# Altium PCB PCB.PcbDoc (part 1 of 4)
Units mil, origin at the board's own origin, x right, y up, seen from the top; angles counter-clockwise.
Board outline 6299.21 x 7637.8 mil, 2 copper layers (Top Layer, Bottom Layer); 456 components, 297 nets, 1240 pads, 557 vias.
Unrouted connection lines stored in the file: 247.
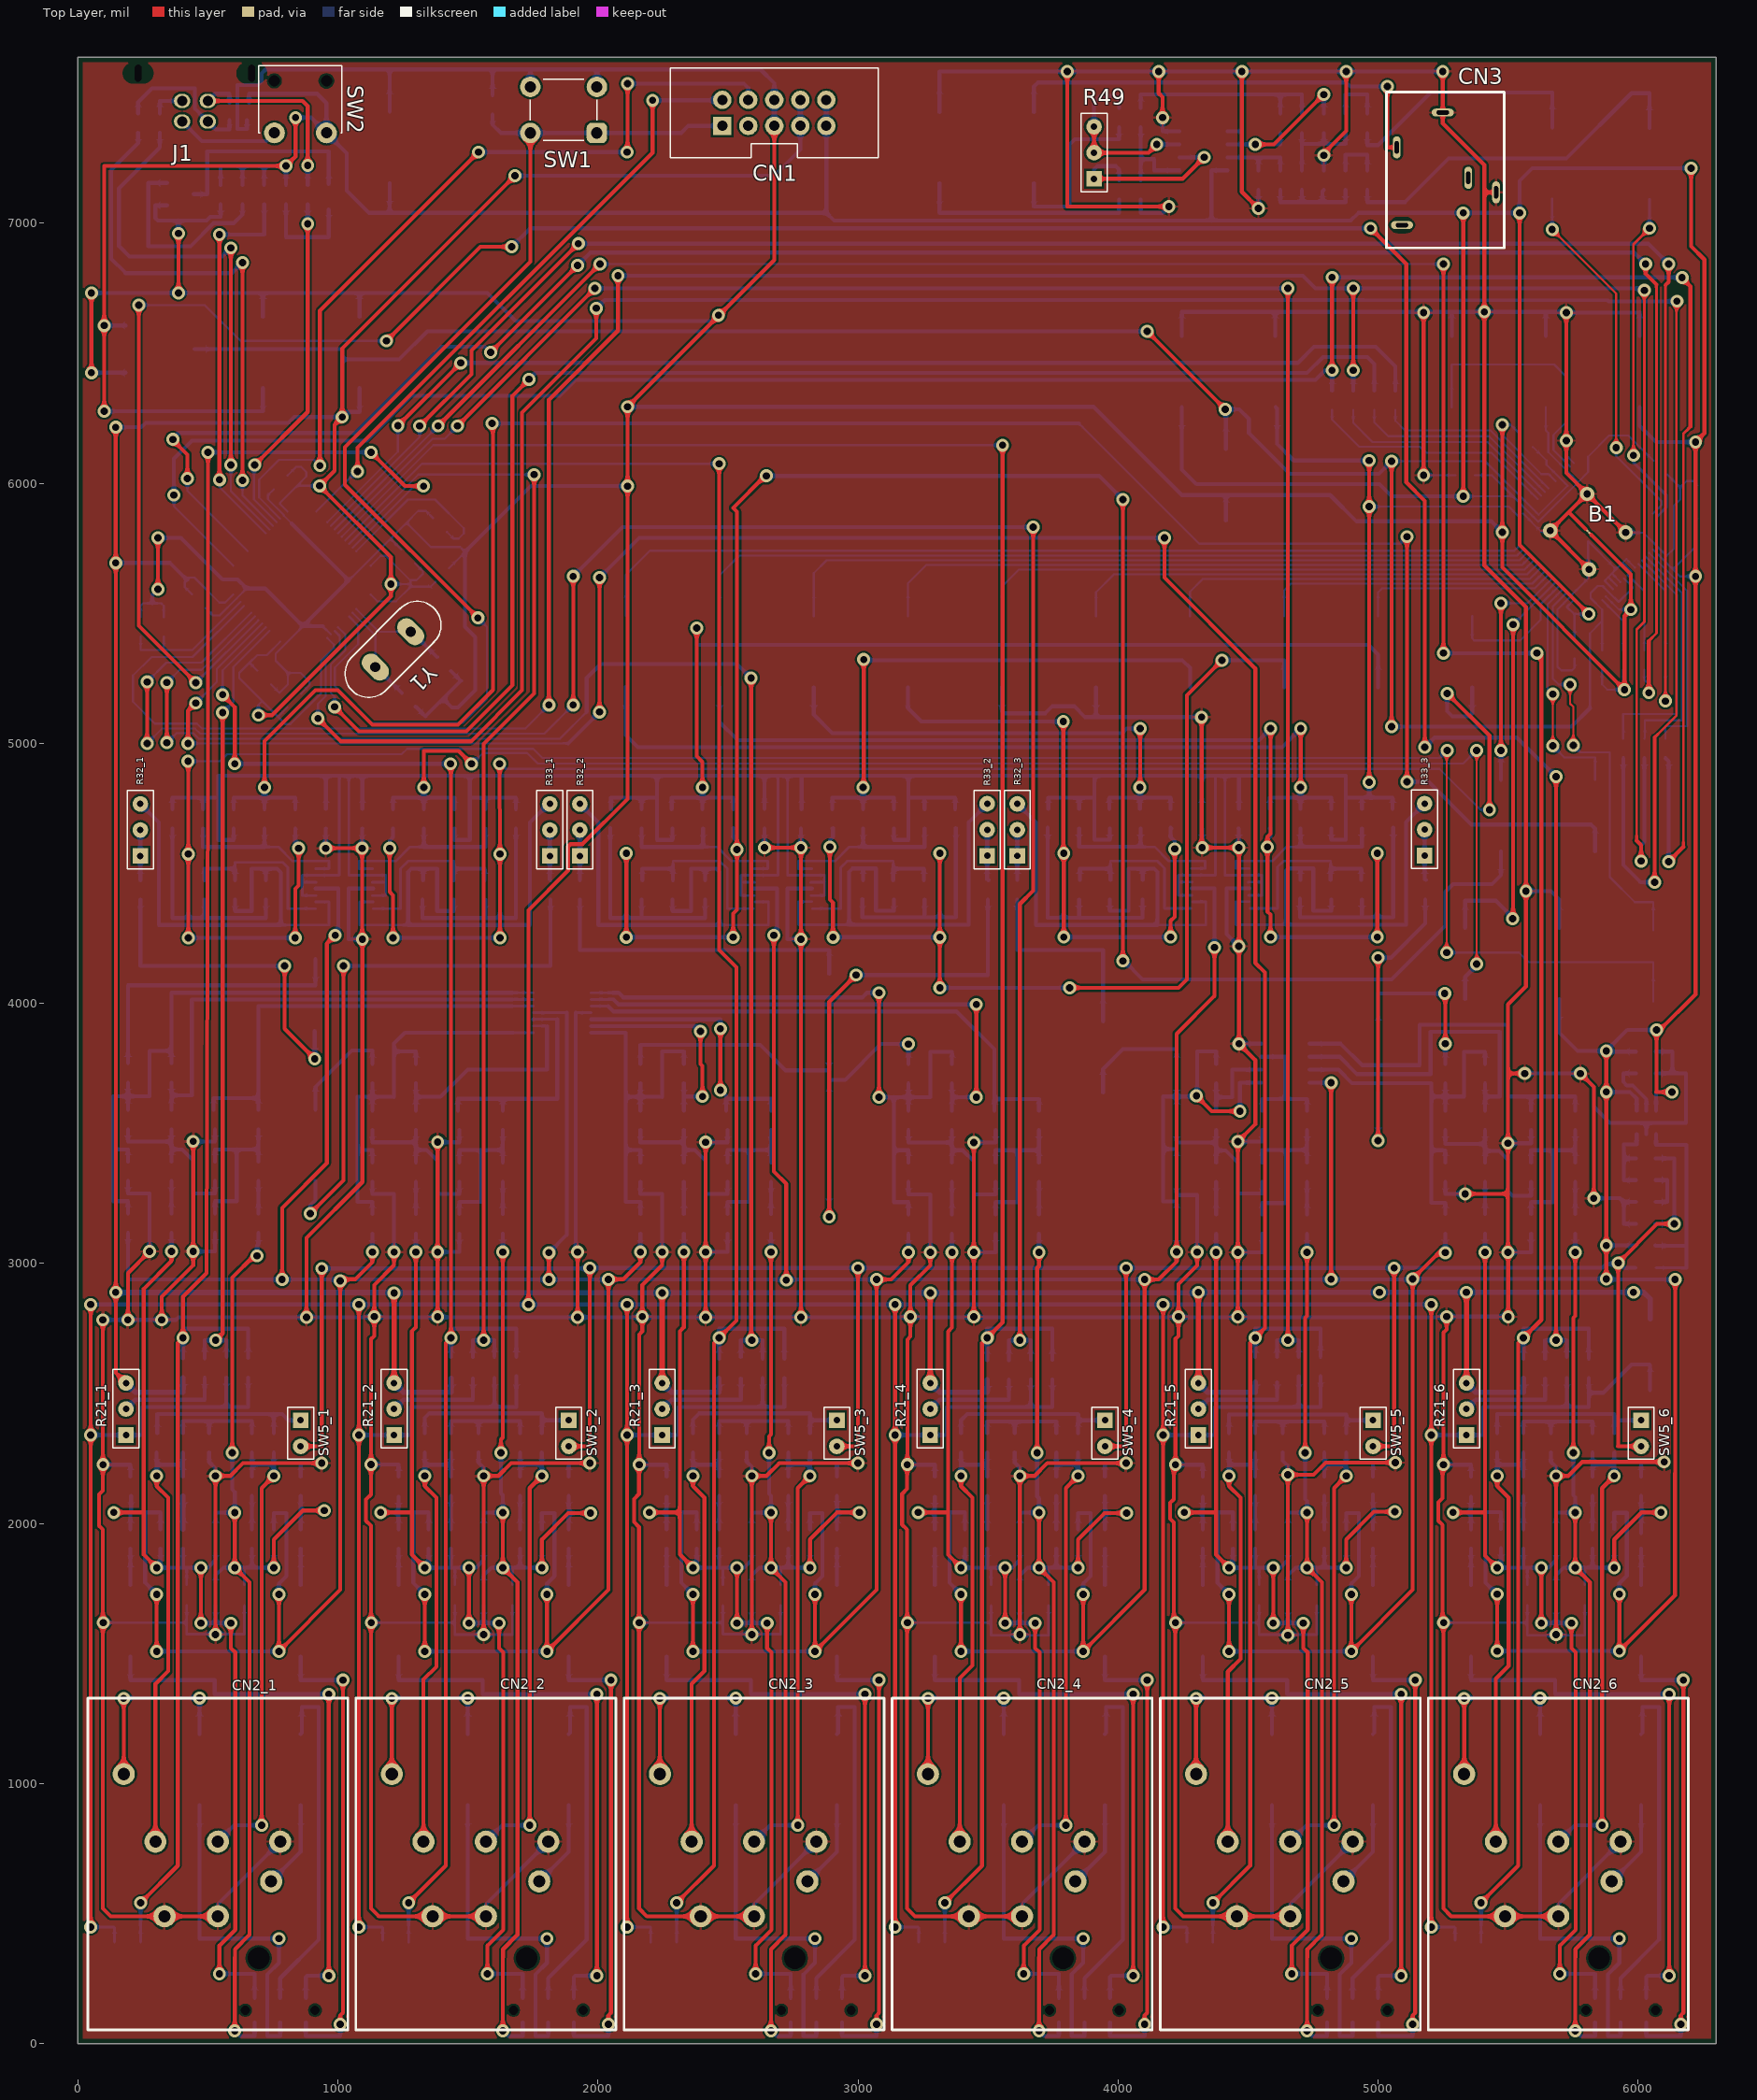
[diagram p0: Top Layer view]
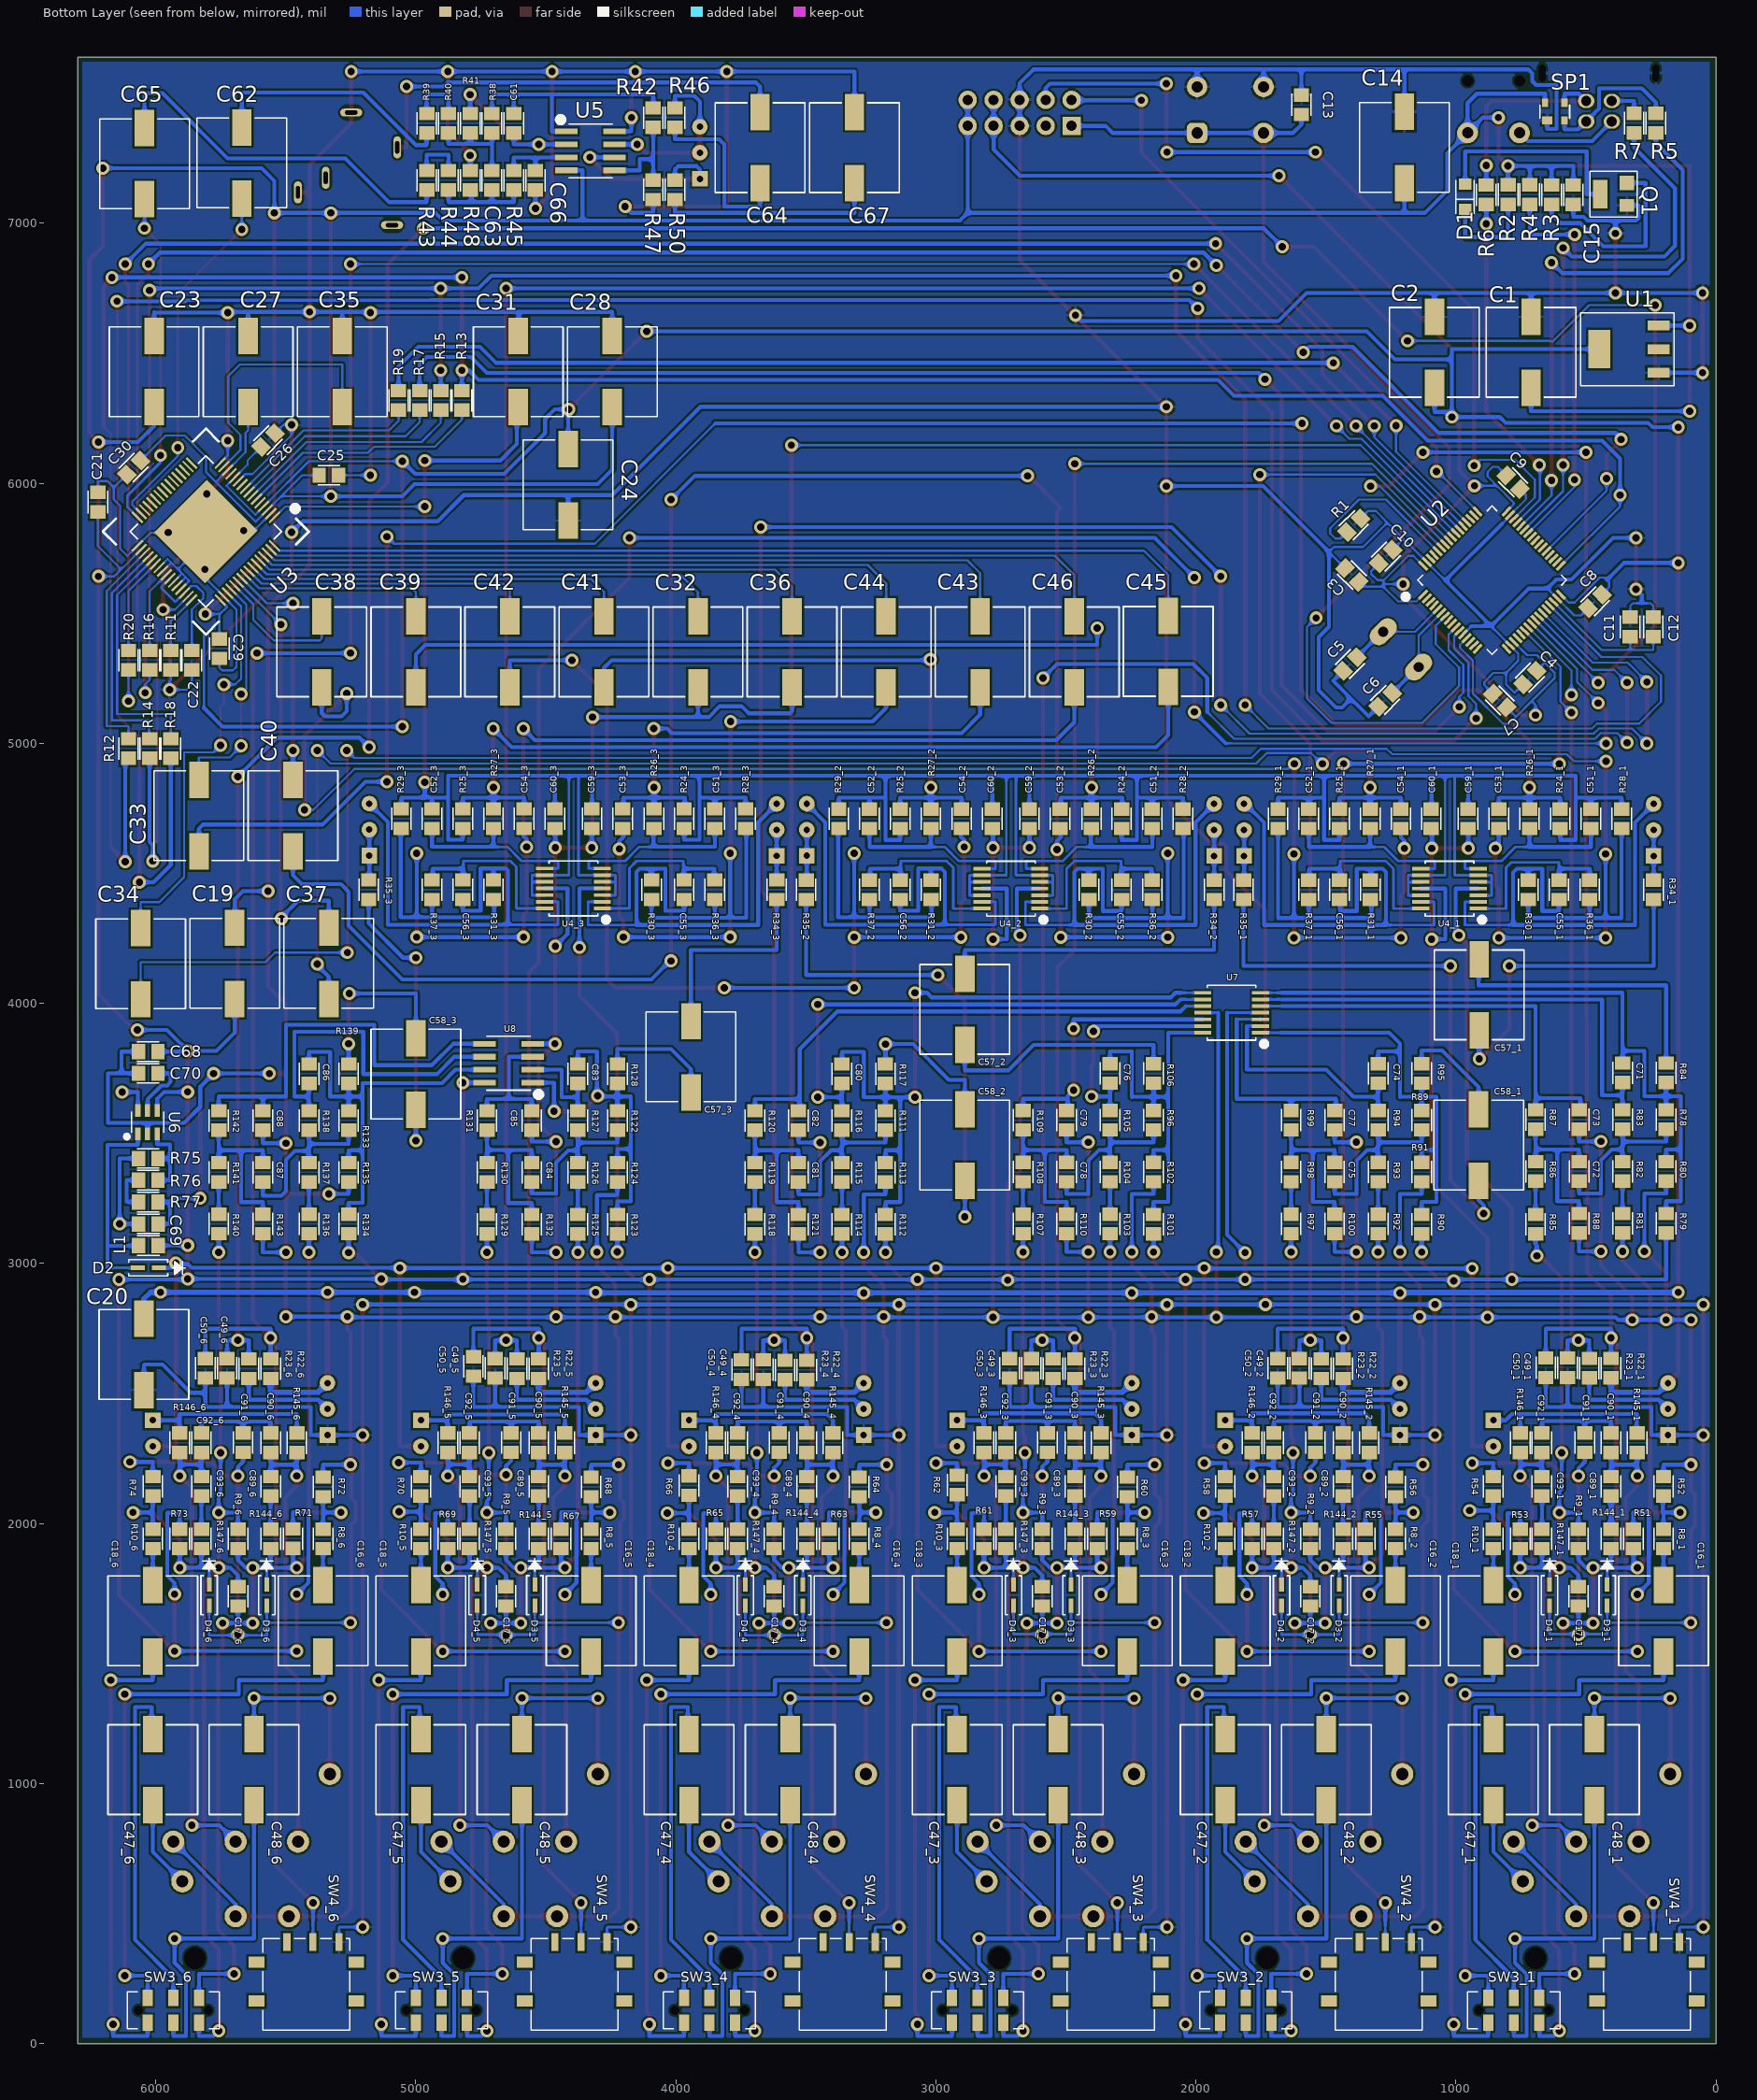
[diagram p1: Bottom Layer view, seen from below]
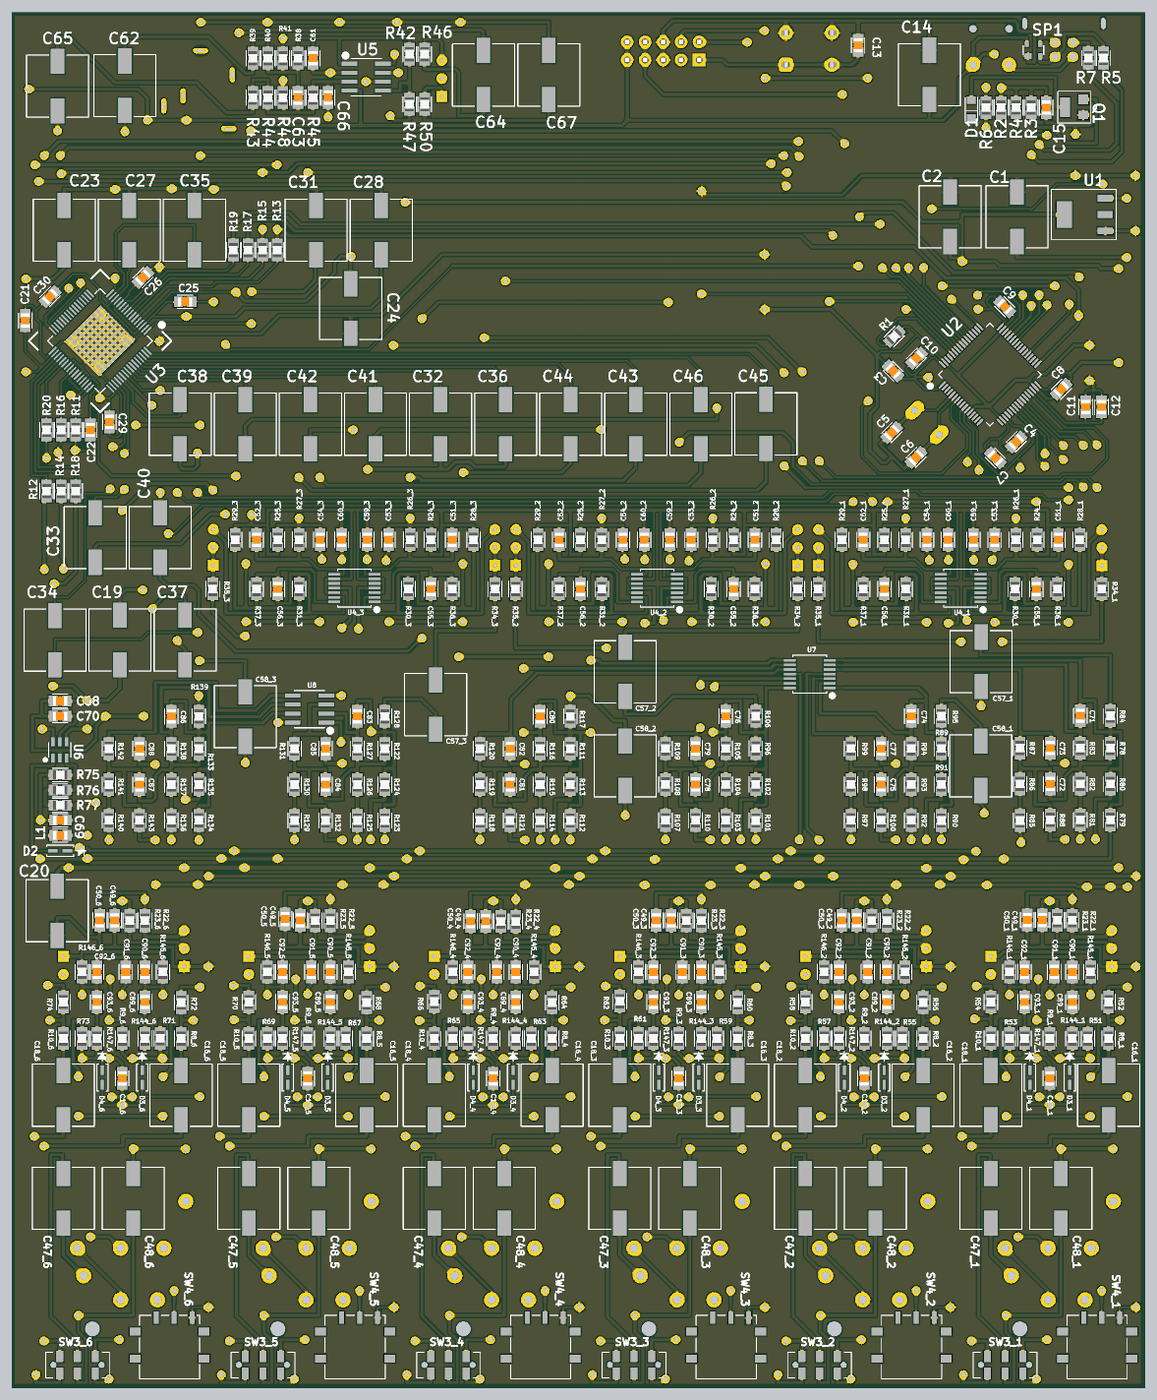
[diagram p5: 3D render of the assembled board from below, using the file's embedded part models]

## Layer stack, top to bottom
Top Solder: solder mask 0.4, Solder Resist, Dk 3.5
Top Layer: signal copper 1.4
Dielectric 1: dielectric 12.6, FR-4, Dk 4.8
Bottom Layer: signal copper 1.4
Bottom Solder: solder mask 0.4, Solder Resist, Dk 3.5

## Board outline
0,0 6299.21,0 6299.21,7637.8 0,7637.8 0,3937.01

## Design rules (kind name [scope] priority, off if disabled: settings)
Clearance [All] p1: gap=8 ignorepadtopadclearanceinfootprint=TRUE
PolygonConnect [All] p1: connectstyle=Relief reliefconductorwidth=10 reliefentries=4 polygonreliefangle="90 Angle" airgapwidth=10
RoomDefinition U_phantom_power_enabler_3 [InComponentClass('U_phantom_power_enabler_3')] p1: confinementstyle=ConfineIn formatcopy=TRUE lockcomponents=FALSE outline 2315.45,1636.32 3115.16,1636.32 3115.16,2689.47 2315.45,2689.47
RoomDefinition U_phantom_power_enabler_2 [InComponentClass('U_phantom_power_enabler_2')] p2: confinementstyle=ConfineIn formatcopy=TRUE lockcomponents=FALSE outline 1284.45,1636.32 2084.15,1636.32 2084.15,2689.47 1284.45,2689.47
RoomDefinition U_input_output_2 [InComponentClass('U_input_output_2')] p3: confinementstyle=ConfineIn formatcopy=TRUE lockcomponents=FALSE outline 1060.53,19.68 2084.15,19.68 2084.15,2677.17 1060.53,2677.17
RoomDefinition U_phantom_power_enabler_6 [InComponentClass('U_phantom_power_enabler_6')] p4: confinementstyle=ConfineIn formatcopy=TRUE lockcomponents=FALSE outline 5408.46,1636.32 6208.17,1636.32 6208.17,2689.47 5408.46,2689.47
RoomDefinition U_phantom_power_enabler_5 [InComponentClass('U_phantom_power_enabler_5')] p5: confinementstyle=ConfineIn formatcopy=TRUE lockcomponents=FALSE outline 4377.46,1636.32 5177.17,1636.32 5177.17,2689.47 4377.46,2689.47
RoomDefinition U_phantom_power_enabler_4 [InComponentClass('U_phantom_power_enabler_4')] p6: confinementstyle=ConfineIn formatcopy=TRUE lockcomponents=FALSE outline 3346.46,1636.32 4146.16,1636.32 4146.16,2689.47 3346.46,2689.47
RoomDefinition U_input_output_6 [InComponentClass('U_input_output_6')] p7: confinementstyle=ConfineIn formatcopy=TRUE lockcomponents=FALSE outline 5184.55,19.68 6208.17,19.68 6208.17,2677.17 5184.55,2677.17
RoomDefinition U_input_output_5 [InComponentClass('U_input_output_5')] p8: confinementstyle=ConfineIn formatcopy=TRUE lockcomponents=FALSE outline 4153.54,19.68 5177.17,19.68 5177.17,2677.17 4153.54,2677.17
RoomDefinition U_input_output_4 [InComponentClass('U_input_output_4')] p9: confinementstyle=ConfineIn formatcopy=TRUE lockcomponents=FALSE outline 3122.54,19.68 4146.16,19.68 4146.16,2677.17 3122.54,2677.17
RoomDefinition U_input_output_3 [InComponentClass('U_input_output_3')] p10: confinementstyle=ConfineIn formatcopy=TRUE lockcomponents=FALSE outline 2091.54,19.68 3115.16,19.68 3115.16,2677.17 2091.54,2677.17
RoomDefinition U_att_17db_6 [InComponentClass('U_att_17db_6')] p11: confinementstyle=ConfineIn formatcopy=TRUE lockcomponents=FALSE outline 5179.63,1407.48 6198.33,1407.48 6198.33,2022.64 5179.63,2022.64
RoomDefinition U_att_17db_5 [InComponentClass('U_att_17db_5')] p12: confinementstyle=ConfineIn formatcopy=TRUE lockcomponents=FALSE outline 4148.62,1407.48 5167.32,1407.48 5167.32,2022.64 4148.62,2022.64
RoomDefinition U_att_17db_4 [InComponentClass('U_att_17db_4')] p13: confinementstyle=ConfineIn formatcopy=TRUE lockcomponents=FALSE outline 3117.62,1407.48 4136.32,1407.48 4136.32,2022.64 3117.62,2022.64
RoomDefinition U_att_17db_3 [InComponentClass('U_att_17db_3')] p14: confinementstyle=ConfineIn formatcopy=TRUE lockcomponents=FALSE outline 2086.61,1407.48 3105.32,1407.48 3105.32,2022.64 2086.61,2022.64
RoomDefinition U_att_17db_2 [InComponentClass('U_att_17db_2')] p15: confinementstyle=ConfineIn formatcopy=TRUE lockcomponents=FALSE outline 1055.61,1407.48 2074.31,1407.48 2074.31,2022.64 1055.61,2022.64
RoomDefinition U_input [InComponentClass('U_input')] p16: confinementstyle=ConfineIn formatcopy=TRUE lockcomponents=FALSE outline 147.64,1441.93 6254.92,1441.93 6254.92,2236.71 147.64,2236.71
RoomDefinition U_usb_2_0 [InComponentClass('U_usb_2_0')] p17: confinementstyle=ConfineIn formatcopy=TRUE lockcomponents=FALSE outline 19.68,6821.66 1377.95,6821.66 1377.95,7611.52 19.68,7611.52
RoomDefinition U_phantom_power_enabler_1 [InComponentClass('U_phantom_power_enabler_1')] p18: confinementstyle=ConfineIn formatcopy=TRUE lockcomponents=FALSE outline 253.44,1636.32 1053.15,1636.32 1053.15,2689.47 253.44,2689.47
RoomDefinition U_phantom_power [InComponentClass('U_phantom_power')] p19: confinementstyle=ConfineIn formatcopy=TRUE lockcomponents=FALSE outline 5837.97,3917.9 5837.97,2942.91 6236.5,2942.91 6236.5,3917.9
RoomDefinition U_output_jack [InComponentClass('U_output_jack')] p20: confinementstyle=ConfineIn formatcopy=TRUE lockcomponents=FALSE outline 3137.3,6897.14 6222.93,6897.14 6222.93,7610.73 3137.3,7610.73
RoomDefinition U_input_output_1 [InComponentClass('U_input_output_1')] p21: confinementstyle=ConfineIn formatcopy=TRUE lockcomponents=FALSE outline 29.53,19.68 1053.15,19.68 1053.15,2677.17 29.53,2677.17
RoomDefinition U_fuente [InComponentClass('U_fuente')] p22: confinementstyle=ConfineIn formatcopy=TRUE lockcomponents=FALSE outline 22.15,6200.79 1262.3,6200.79 1262.3,6747.05 22.15,6747.05
RoomDefinition U_bal2un_2 [InComponentClass('U_bal2un_2')] p23: confinementstyle=ConfineIn formatcopy=TRUE lockcomponents=FALSE outline 4158.46,2944.39 5831.69,2944.39 5831.69,3885.33 4158.46,3885.33
RoomDefinition U_bal2un_1 [InComponentClass('U_bal2un_1')] p24: confinementstyle=ConfineIn formatcopy=TRUE lockcomponents=FALSE outline 150.1,2993.5 3742.62,2993.5 3742.62,4089.57 150.1,4089.57
RoomDefinition U_att_17db_1 [InComponentClass('U_att_17db_1')] p25: confinementstyle=ConfineIn formatcopy=TRUE lockcomponents=FALSE outline 24.61,1407.48 1043.31,1407.48 1043.31,2022.64 24.61,2022.64
RoutingVias [All] p1: holewidth=28 width=50 viastyle="Through Hole" minholewidth=28 minwidth=50 maxholewidth=28 maxwidth=50
SilkToSolderMaskClearance [IsPad] p1: minsilkscreentomaskgap=4 clearancetoexposedcopper=TRUE
SolderMaskExpansion [All] p1: expansion=4
UnRoutedNet [All] p1: checkbadconnections=TRUE
Width [All] p1: maxlimit=100 minlimit=5 preferedwidth=10
28 further rules are at their usual default settings.

## Classes and differential pairs
channel class preamp: U_preamp_1 U_preamp_2 U_preamp_3
channel class phantom_power_enabler: U_phantom_power_enabler_1 U_phantom_power_enabler_2 U_phantom_power_enabler_3 U_phantom_power_enabler_4 U_phantom_power_enabler_5 U_phantom_power_enabler_6
channel class input_output: U_input_output_1 U_input_output_2 U_input_output_3 U_input_output_4 U_input_output_5 U_input_output_6
channel class att_17db: U_att_17db_1 U_att_17db_2 U_att_17db_3 U_att_17db_4 U_att_17db_5 U_att_17db_6
component class U_usb_2_0: C14 C15 D1 Q1 R2 R3 R4 R5 R6 R7 SP1 SW2
component class U_stm32: C3 C4 C5 C6 C7 C8 C9 C10 C11 C12 C13 CN1 R1 SW1 U2 Y1
component class U_preamp_3: C51_3 C52_3 C53_3 C54_3 C55_3 C56_3 C57_3 C58_3 C59_3 C60_3 R24_3 R25_3 R26_3 R27_3 R28_3 R29_3 R30_3 R31_3 R32_3 R33_3 R34_3 R35_3 R36_3 R37_3 U4_3
component class U_preamp_2: C51_2 C52_2 C53_2 C54_2 C55_2 C56_2 C57_2 C58_2 C59_2 C60_2 R24_2 R25_2 R26_2 R27_2 R28_2 R29_2 R30_2 R31_2 R32_2 R33_2 R34_2 R35_2 R36_2 R37_2 U4_2
component class U_preamp_1: C51_1 C52_1 C53_1 C54_1 C55_1 C56_1 C57_1 C58_1 C59_1 C60_1 R24_1 R25_1 R26_1 R27_1 R28_1 R29_1 R30_1 R31_1 R32_1 R33_1 R34_1 R35_1 R36_1 R37_1 U4_1
component class U_phantom_power: C68 C69 C70 D2 L1 R75 R76 R77 U6
component class U_phantom_power_enabler_6: C89_6 C90_6 C91_6 C92_6 C93_6 D3_6 D4_6 R144_6 R145_6 R146_6 R147_6 SW5_6
component class U_phantom_power_enabler_5: C89_5 C90_5 C91_5 C92_5 C93_5 D3_5 D4_5 R144_5 R145_5 R146_5 R147_5 SW5_5
component class U_phantom_power_enabler_4: C89_4 C90_4 C91_4 C92_4 C93_4 D3_4 D4_4 R144_4 R145_4 R146_4 R147_4 SW5_4
component class U_phantom_power_enabler_3: C89_3 C90_3 C91_3 C92_3 C93_3 D3_3 D4_3 R144_3 R145_3 R146_3 R147_3 SW5_3
component class U_phantom_power_enabler_2: C89_2 C90_2 C91_2 C92_2 C93_2 D3_2 D4_2 R144_2 R145_2 R146_2 R147_2 SW5_2
component class U_phantom_power_enabler_1: C89_1 C90_1 C91_1 C92_1 C93_1 D3_1 D4_1 R144_1 R145_1 R146_1 R147_1 SW5_1
component class U_output_jack: C61 C62 C63 C64 C65 C66 C67 CN3 R38 R39 R40 R41 R42 R43 R44 R45 R46 R47 R48 R49 R50 U5
component class U_input: R51 R52 R53 R54 R55 R56 R57 R58 R59 R60 R61 R62 R63 R64 R65 R66 R67 R68 R69 R70 R71 R72 R73 R74
component class U_input_output_6: C47_6 C48_6 C49_6 C50_6 CN2_6 R21_6 R22_6 R23_6 SW3_6 SW4_6
component class U_input_output_5: C47_5 C48_5 C49_5 C50_5 CN2_5 R21_5 R22_5 R23_5 SW3_5 SW4_5
component class U_input_output_4: C47_4 C48_4 C49_4 C50_4 CN2_4 R21_4 R22_4 R23_4 SW3_4 SW4_4
component class U_input_output_3: C47_3 C48_3 C49_3 C50_3 CN2_3 R21_3 R22_3 R23_3 SW3_3 SW4_3
component class U_input_output_2: C47_2 C48_2 C49_2 C50_2 CN2_2 R21_2 R22_2 R23_2 SW3_2 SW4_2
component class U_input_output_1: C47_1 C48_1 C49_1 C50_1 CN2_1 R21_1 R22_1 R23_1 SW3_1 SW4_1
component class U_fuente: C1 C2 U1
component class U_codec: B1 C19 C20 C21 C22 C23 C24 C25 C26 C27 C28 C29 C30 C31 C32 C33 C34 C35 C36 C37 C38 C39 C40 C41 C42 C43 C44 C45 C46 R11 R12 R13 R14 R15 R16 R17 R18 R19 R20 U3
component class U_bal2un_2: C83 C84 C85 C86 C87 C88 R122 R123 R124 R125 R126 R127 R128 R129 R130 R131 R132 R133 R134 R135 R136 R137 R138 R139 R140 R141 R142 R143 U8
component class U_bal2un_1: C71 C72 C73 C74 C75 C76 C77 C78 C79 C80 C81 C82 R78 R79 R80 R81 R82 R83 R84 R85 R86 R87 R88 R89 R90 R91 R92 R93 R94 R95 R96 R97 R98 R99 R100 R101 R102 R103 R104 R105 R106 R107 R108 R109 R110 R111 R112 R113 R114 R115 R116 R117 R118 R119 R120 R121 U7
component class U_att_17db_6: C16_6 C17_6 C18_6 R8_6 R9_6 R10_6
component class U_att_17db_5: C16_5 C17_5 C18_5 R8_5 R9_5 R10_5
component class U_att_17db_4: C16_4 C17_4 C18_4 R8_4 R9_4 R10_4
component class U_att_17db_3: C16_3 C17_3 C18_3 R8_3 R9_3 R10_3
component class U_att_17db_2: C16_2 C17_2 C18_2 R8_2 R9_2 R10_2
component class U_att_17db_1: C16_1 C17_1 C18_1 R8_1 R9_1 R10_1

## Components (designator, comment, footprint, x,y, rotation, side; value= is the part's Value field where it differs from the comment)
B1 "GND_BIND" TRACK_8MIL 5808.11,5813.45 r315 top
C1 "Capacitor polarizado" CAP_ELECTROLYTIC 711.12,6503.44 r90 bottom
C2 "Capacitor polarizado" CAP_ELECTROLYTIC 1082.67,6503.44 r90 bottom
C3 "Capacitor" C0805 1400.1,5647.15 r45 bottom
C4 "Capacitor" C0805 716.04,5253.44 r315 bottom
C5 "Capacitor" C0805 1407.48,5305.12 r135 bottom
C6 "Capacitor" C0805 1272.15,5167.32 r135 bottom
C7 "Capacitor" C0805 831.69,5164.86 r45 bottom
C8 "Capacitor" C0805 465.06,5546.26 r315 bottom
C9 "Capacitor" C0805 780.02,6003.94 r225 bottom
C10 "Capacitor" C0805 1269.68,5718.5 r135 bottom
C11 "Capacitor" C0805 329.72,5447.83 r90 bottom
C12 "Capacitor" C0805 241.14,5447.83 r90 bottom
C13 "Capacitor" C0805 1594.49,7455.71 r90 bottom
C14 "Capacitor polarizado" CAP_ELECTROLYTIC 1198.33,7291.64 r90 bottom
C15 "Capacitor" C0805 548.72,7109.55 r270 bottom
C16_1 "Capacitor polarizado" CAP_ELECTROLYTIC 201.77,1625.68 r270 bottom (schematic designator C16)
C16_2 "Capacitor polarizado" CAP_Electrolytic 1232.78,1625.68 r270 bottom (schematic designator C16)
C16_3 "Capacitor polarizado" CAP_Electrolytic 2263.78,1625.68 r270 bottom (schematic designator C16)
C16_4 "Capacitor polarizado" CAP_Electrolytic 3294.78,1625.68 r270 bottom (schematic designator C16)
C16_5 "Capacitor polarizado" CAP_Electrolytic 4325.79,1625.68 r270 bottom (schematic designator C16)
C16_6 "Capacitor polarizado" CAP_Electrolytic 5356.79,1625.68 r270 bottom (schematic designator C16)
C17_1 "Capacitor" C0805 529.04,1719.18 r90 bottom (schematic designator C17)
C17_2 "Capacitor" C0805 1560.04,1719.18 r90 bottom (schematic designator C17)
C17_3 "Capacitor" C0805 2591.04,1719.18 r90 bottom (schematic designator C17)
C17_4 "Capacitor" C0805 3622.05,1719.18 r90 bottom (schematic designator C17)
C17_5 "Capacitor" C0805 4653.05,1719.18 r90 bottom (schematic designator C17)
C17_6 "Capacitor" C0805 5684.06,1719.18 r90 bottom (schematic designator C17)
C18_1 "Capacitor polarizado" CAP_ELECTROLYTIC 856.3,1625.68 r270 bottom (schematic designator C18)
C18_2 "Capacitor polarizado" CAP_Electrolytic 1887.3,1625.68 r270 bottom (schematic designator C18)
C18_3 "Capacitor polarizado" CAP_Electrolytic 2918.31,1625.68 r270 bottom (schematic designator C18)
C18_4 "Capacitor polarizado" CAP_Electrolytic 3949.31,1625.68 r270 bottom (schematic designator C18)
C18_5 "Capacitor polarizado" CAP_Electrolytic 4980.31,1625.68 r270 bottom (schematic designator C18)
C18_6 "Capacitor polarizado" CAP_Electrolytic 6011.32,1625.68 r270 bottom (schematic designator C18)
C19 "Capacitor polarizado" CAP_ELECTROLYTIC 5696.36,4153.54 r90 bottom
C20 "Capacitor polarizado" CAP_ELECTROLYTIC 6045.77,2650.1 r270 bottom
C21 "Capacitor" C0805 6222.93,5927.66 r90 bottom
C22 "Capacitor" C0805 5861.22,5319.88 r270 bottom
C23 "Capacitor polarizado" CAP_ELECTROLYTIC 6006.4,6429.63 r90 bottom
C24 "Capacitor polarizado" CAP_ELECTROLYTIC 4414.37,5994.09 r270 bottom
C25 "Capacitor" C0805 5334.65,6031 r180 bottom
C26 "Capacitor" C0805 5568.41,6166.34 r135 bottom
C27 "Capacitor polarizado" CAP_ELECTROLYTIC 5644.69,6429.63 r90 bottom
C28 "Capacitor polarizado" CAP_ELECTROLYTIC 4244.59,6429.63 r90 bottom
C29 "Capacitor" C0805 5755.41,5364.17 r270 bottom
C30 "Capacitor" C0805 6085.14,6060.53 r315 bottom
C31 "Capacitor polarizado" CAP_ELECTROLYTIC 4606.3,6429.63 r90 bottom
C32 "Capacitor polarizado" CAP_ELECTROLYTIC 3914.86,5351.87 r270 bottom
C33 "Capacitor polarizado" CAP_ELECTROLYTIC 5834.15,4721.95 r90 bottom
C34 "Capacitor polarizado" CAP_ELECTROLYTIC 6058.07,4152.75 r90 bottom
C35 "Capacitor polarizado" CAP_ELECTROLYTIC 5282.97,6429.63 r90 bottom
C36 "Capacitor polarizado" CAP_ELECTROLYTIC 3553.15,5351.87 r270 bottom
C37 "Capacitor polarizado" CAP_ELECTROLYTIC 5334.65,4153.54 r90 bottom
C38 "Capacitor polarizado" CAP_ELECTROLYTIC 5361.71,5351.87 r90 bottom
C39 "Capacitor polarizado" CAP_ELECTROLYTIC 5000,5351.87 r90 bottom
C40 "Capacitor polarizado" CAP_ELECTROLYTIC 5472.44,4721.95 r90 bottom
C41 "Capacitor polarizado" CAP_ELECTROLYTIC 4276.57,5351.87 r90 bottom